# Altium PCB X98_CARRIER_V1R2_12082022.PcbDoc (part 1 of 10) (continued)
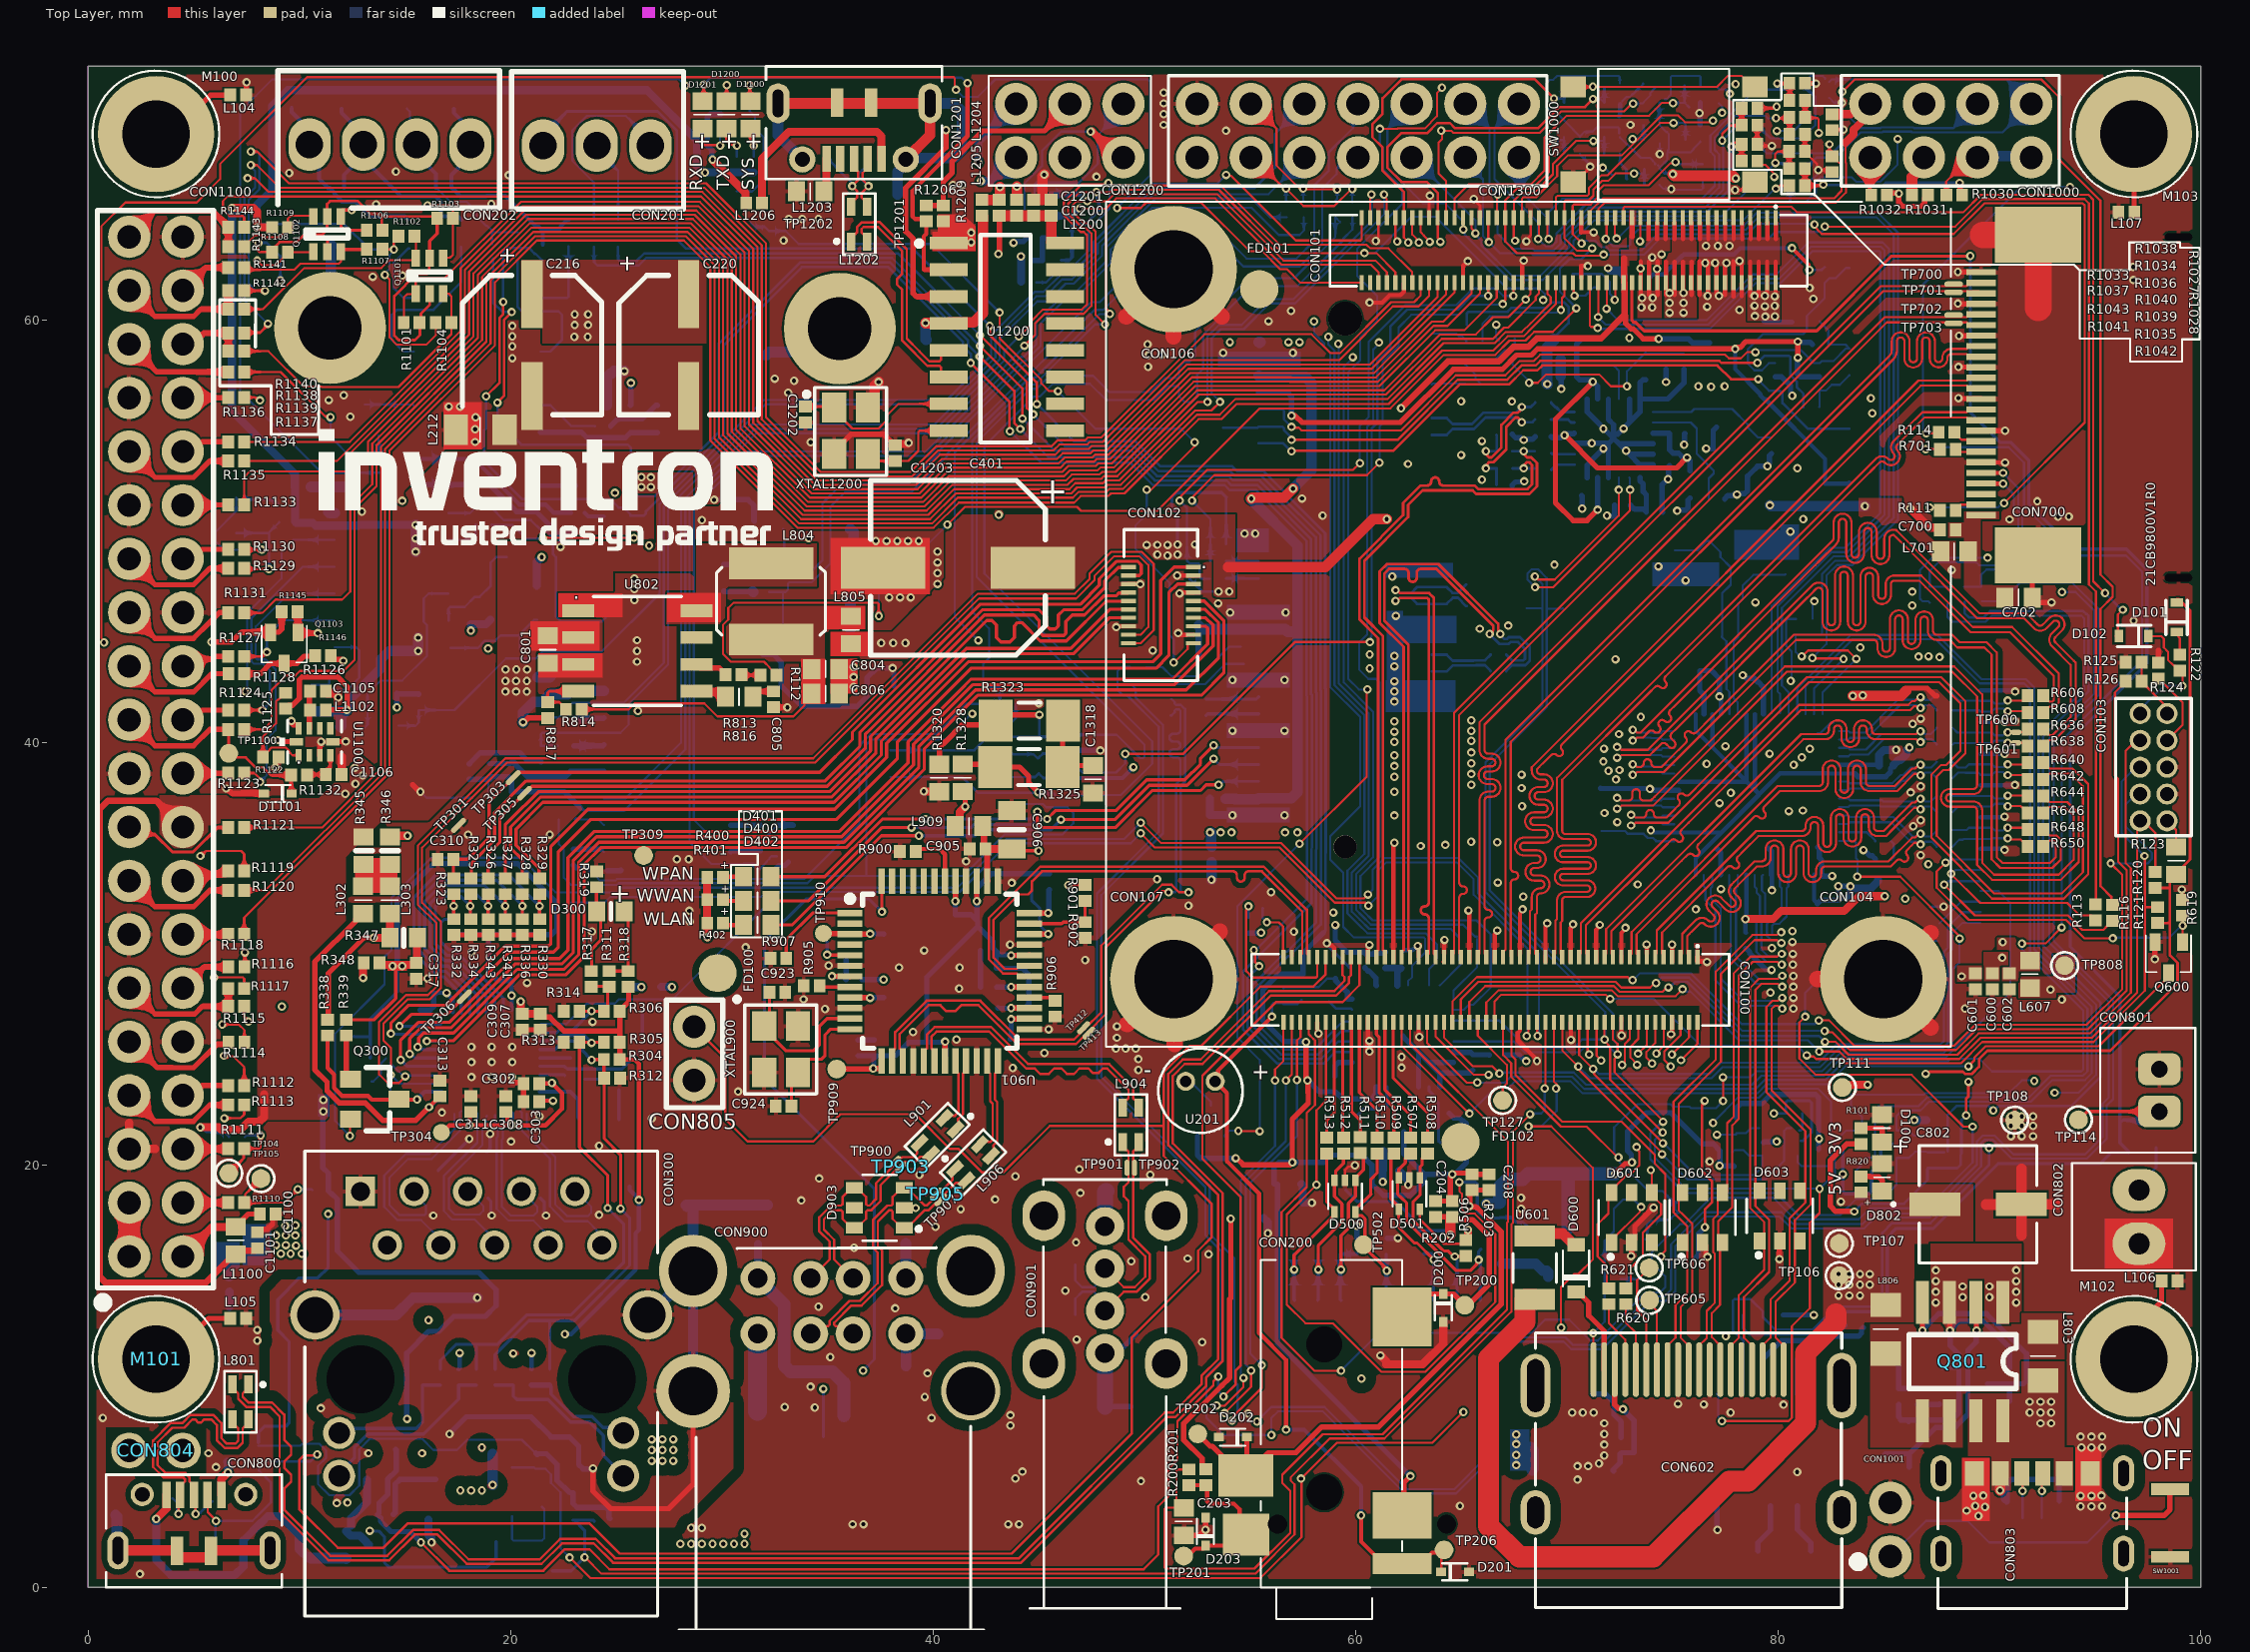
[diagram p0: Top Layer view]
## Classes and differential pairs (continued)
net class USB: PCIe_USB_MODEM_N PCIe_USB_MODEM_P USB1_OTG'_N USB1_OTG'_P USB1_OTG_N USB1_OTG_P USB1D'_N USB1D'_P USB1DP_N USB1DP_P USB2_UP_N USB2_UP_P USB2D'_N USB2D'_P USB2DP_N USB2DP_P USB3DP'_N USB3DP'_P USB3DP_N USB3DP_P
net class "SD CARD": SD2_CD_B SD2_CLK SD2_CMD SD2_DATA0 SD2_DATA1 SD2_DATA2 SD2_DATA3 SD2_nRST
differential pair class "120 OHM": CAN_H RS485/422
differential pair class "DIFF HDMI 100 OHM": HDMICK HDMITX0 HDMITX1 HDMITX2
differential pair class "DIFF LVDS 100 OHM": LVDSCK LVDSTX0 LVDSTX1 LVDSTX2 LVDSTX3
differential pair class "USB 90 OHM DIFF": PCIe_USB_MODEM USB1_OTG USB1_OTG' USB1D' USB1DP USB2_UP USB2D' USB2DP USB3DP USB3DP' USB_DEBUG USB_DEBUG'
net class "ENET DATA": ENET_RD0 ENET_RD1 ENET_RD2 ENET_RD3 ENET_RX_CTL ENET_RXC ENET_TD0 ENET_TD1 ENET_TD2 ENET_TD3 ENET_TX_CTL ENET_TXC
differential pair class "DIFF DSI 100 OHM": MIPI_DSI_CK MIPI_DSI_D0 MIPI_DSI_D1 MIPI_DSI_D2 MIPI_DSI_D3
differential pair class "DIFF CSI 100 OHM": MIPI_CSI_CLK MIPI_CSI_D0 MIPI_CSI_D1 MIPI_CSI_D2 MIPI_CSI_D3
differential pair class "DIFF PCIe 85 OHM": DIFF0 DIFF1 PCIe_CPU_CLK PCIe_REF_CLK PCIe_RX PCIe_TX PCIe_TX'
net class "USB OTG CONFIG": +3.3V_EXT_ENABLE USB1_OTG_VBUS_DETECT USB_OTG_OC USB_OTG_POWER
net class SAI3: SAI3_RXD SAI3_TXC SAI3_TXD SAI3_TXFS
net class SAI1: SAI1_RXD0 SAI1_RXD1 SAI1_RXD2 SAI1_RXD3 SAI1_RXD4 SAI1_RXD5 SAI1_RXD6 SAI1_RXD7 SAI1_TXD0 SAI1_TXD1 SAI1_TXD2 SAI1_TXD3 SAI1_TXD4 SAI1_TXD5 SAI1_TXD6 SAI1_TXD7
net class PWR: +1.8V_VDD +3.3V_VDD +5V GND
net class PWM: PWM1_E PWM2_E PWM3_E PWM4_E
net class "PCIe CONFIG": PCIe_HOST_WAKE PCIe_PERST#_3V3 PCIe_W_DISABLE#_3V3
net class I2C4: I2C4_SCL_3V3 I2C4_SDA_3V3
net class I2C3: I2C3_SCL_3V3 I2C3_SDA_3V3
net class I2C2: I2C2_SCL_3V3 I2C2_SDA_3V3
net class "HDMI CONFIG": DISP_CON_O1 DISP_CON_O2 DSI/LVDS_CON_INT HDMI_HPD IRQ_HDMI nRESET_HDMI
net class GPIO_EXP: GPIO_EXP_1 GPIO_EXP_2 GPIO_EXP_3 GPIO_EXP_4 GPIO_EXP_5 GPIO_EXP_6 GPIO_EXP_7 GPIO_EXP_8 GPIO_EXP_9_1V8 GPIO_EXP_10_1V8 GPIO_EXP_11_1V8 GPIO_EXP_12_1V8
net class "ENET CONFIG": ENET_INT_IN ENET_nRST
net class "CAM CONFIG": PWDN_CAM_C RST_CAM_C
net class BUTTON: ONOFF SYS_nRST
net class "AUDIO SAI": SAI1_MCLK SAI1_RXD0 SAI1_TXC SAI1_TXD0 SAI1_TXFS
net class "AUDIO CONFIG": AMP_EN HP_DETECT MIC_EN
net class USB_OTG_POWER_SYSTEM[0..3]: USB_OTG_POWER_SYSTEM0 USB_OTG_POWER_SYSTEM1 USB_OTG_POWER_SYSTEM2 USB_OTG_POWER_SYSTEM3
net class USB2[0..1]: USB20 USB21
net class USB1[0..3]: USB10 USB11 USB12 USB13
net class UART3[0..3]: UART30 UART31 UART32 UART33
net class UART2,4[0..3]: UART2,40 UART2,41 UART2,42 UART2,43
net class SYS_STATUS[0..0]: SYS_STATUS0
net class SD2[0..8]: SD20 SD21 SD22 SD23 SD24 SD25 SD26 SD27 SD28
net class SAI3_AUDIO[0..3]: SAI3_AUDIO0 SAI3_AUDIO1 SAI3_AUDIO2 SAI3_AUDIO3
net class SAI2_TX[0..2]: SAI2_TX0 SAI2_TX1 SAI2_TX2
net class SAI1_CONFIG[0..15]: SAI1_CONFIG0 SAI1_CONFIG1 SAI1_CONFIG2 SAI1_CONFIG3 SAI1_CONFIG4 SAI1_CONFIG5 SAI1_CONFIG6 SAI1_CONFIG7 SAI1_CONFIG8 SAI1_CONFIG9 SAI1_CONFIG10 SAI1_CONFIG11 SAI1_CONFIG12 SAI1_CONFIG13 SAI1_CONFIG14 SAI1_CONFIG15
net class SAI1_AUDIO[0..4]: SAI1_AUDIO0 SAI1_AUDIO1 SAI1_AUDIO2 SAI1_AUDIO3 SAI1_AUDIO4
net class PWM[0..3]: PWM0 PWM1 PWM2 PWM3
net class PCIe_USB_MODEM[0..1]: PCIe_USB_MODEM0 PCIe_USB_MODEM1
net class PCIe_SYSTEM[0..3]: PCIe_SYSTEM0 PCIe_SYSTEM1 PCIe_SYSTEM2 PCIe_SYSTEM3
net class PCIe[0..5]: PCIe0 PCIe1 PCIe2 PCIe3 PCIe4 PCIe5
net class "MIPI DSI[0..9]": "MIPI DSI0" "MIPI DSI1" "MIPI DSI2" "MIPI DSI3" "MIPI DSI4" "MIPI DSI5" "MIPI DSI6" "MIPI DSI7" "MIPI DSI8" "MIPI DSI9"
net class "MIPI CSI[0..9]": "MIPI CSI0" "MIPI CSI1" "MIPI CSI2" "MIPI CSI3" "MIPI CSI4" "MIPI CSI5" "MIPI CSI6" "MIPI CSI7" "MIPI CSI8" "MIPI CSI9"
net class I2C4[0..1]: I2C40 I2C41
net class I2C3[0..1]: I2C30 I2C31
net class I2C2[0..1]: I2C20 I2C21
net class HDMI_SYSTEM[0..5]: HDMI_SYSTEM0 HDMI_SYSTEM1 HDMI_SYSTEM2 HDMI_SYSTEM3 HDMI_SYSTEM4 HDMI_SYSTEM5
net class GPIO_EXT[0..11]: GPIO_EXT0 GPIO_EXT1 GPIO_EXT2 GPIO_EXT3 GPIO_EXT4 GPIO_EXT5 GPIO_EXT6 GPIO_EXT7 GPIO_EXT8 GPIO_EXT9 GPIO_EXT10 GPIO_EXT11
net class ETHERNET[0..14]: ETHERNET0 ETHERNET1 ETHERNET2 ETHERNET3 ETHERNET4 ETHERNET5 ETHERNET6 ETHERNET7 ETHERNET8 ETHERNET9 ETHERNET10 ETHERNET11 ETHERNET12 ETHERNET13 ETHERNET14
net class ENET_SYSTEM[0..2]: ENET_SYSTEM0 ENET_SYSTEM1 ENET_SYSTEM2
net class ECSPI2[0..3]: ECSPI20 ECSPI21 ECSPI22 ECSPI23
net class "CS CAM SYSTEM[0..2]": "CS CAM SYSTEM0" "CS CAM SYSTEM1" "CS CAM SYSTEM2"
net class BUTTONS[0..1]: BUTTONS0 BUTTONS1
net class BOOT_MODE[0..1]: BOOT_MODE0 BOOT_MODE1
net class AUDIO_SYTEM[0..2]: AUDIO_SYTEM0 AUDIO_SYTEM1 AUDIO_SYTEM2
component class "06 MIPI-DSI to HDMI": C600 C601 C602 C603 C604 C612 C613 C620 C621 C622 C623 C624 C625 C626 C627 C628 C629 C631 C633 C636 C637 C640 CON600 CON602 D600 D601 D602 D603 D604 L600 L601 L606 L607 Q600 Q601 Q602 Q603 R600 R604 R605 R606 R607 R608 R609 R610 R611 R612 R619 R620 R621 R623 R624 R625 R626 R627 R628 R629 R630 R631 R632 R633 R634 R635 R636 R637 R638 R639 R640 R641 R642 R643 R644 R645 R646 R647 R648 R649 R650 ss TP600 TP601 TP602 TP603 TP605 TP606 U600 U601 XTAL600
differential pair MDI3: +MDI3_P -MDI3_N
differential pair MDI2: +MDI2_P -MDI2_N
differential pair MDI1: +MDI1_P -MDI1_N
differential pair MDI0: +MDI0_P -MDI0_N
differential pair RS485/422: +RS485/422_P -RS485/422_N
differential pair CAN_H: +CAN_H_P -CAN_H_N
differential pair PCIe_TX': +PCIe_TX'_P -PCIe_TX'_N
differential pair HDMITX2: +HDMITX2_P -HDMITX2_N
differential pair HDMITX1: +HDMITX1_P -HDMITX1_N
differential pair HDMITX0: +HDMITX0_P -HDMITX0_N
differential pair HDMICK: +HDMICK_P -HDMICK_N
differential pair DIFF1: +DIFF1_P -DIFF1_N
differential pair DIFF0: +DIFF0_P -DIFF0_N
differential pair PCIe_REF_CLK: +PCIe_REF_CLK_P -PCIe_REF_CLK_N
differential pair D5: +D5_P -D5_N
differential pair D4: +D4_P -D4_N
differential pair D3: +D3_P -D3_N
differential pair D2: +D2_P -D2_N
differential pair D1: +D1_P -D1_N
differential pair LVDSTX3: +LVDSTX3_P -LVDSTX3_N
differential pair LVDSTX2: +LVDSTX2_P -LVDSTX2_N
differential pair LVDSTX1: +LVDSTX1_P -LVDSTX1_N
differential pair LVDSTX0: +LVDSTX0_P -LVDSTX0_N
differential pair LVDSCK: +LVDSCK_P -LVDSCK_N
differential pair USB1_OTG: +USB1_OTG_P -USB1_OTG_N
differential pair USB1_OTG': +USB1_OTG'_P -USB1_OTG'_N
differential pair USB_DEBUG: +USB_DEBUG_P -USB_DEBUG_N
differential pair USB_DEBUG': +USB_DEBUG'_P -USB_DEBUG'_N
differential pair USB3DP: +USB3DP_P -USB3DP_N
differential pair USB3DP': +USB3DP'_P -USB3DP'_N
differential pair USB2DP: +USB2DP_P -USB2DP_N
differential pair USB2D': +USB2D'_P -USB2D'_N
differential pair USB2_UP: +USB2_UP_P -USB2_UP_N
differential pair USB1DP: +USB1DP_P -USB1DP_N
differential pair USB1D': +USB1D'_P -USB1D'_N
differential pair PCIe_USB_MODEM: +PCIe_USB_MODEM_P -PCIe_USB_MODEM_N
differential pair PCIe_TX: +PCIe_TX_P -PCIe_TX_N
differential pair PCIe_RX: +PCIe_RX_P -PCIe_RX_N
differential pair PCIe_CPU_CLK: +PCIe_CPU_CLK_P -PCIe_CPU_CLK_N
differential pair MIPI_CSI_D3: +MIPI_CSI_D3_P -MIPI_CSI_D3_N
differential pair MIPI_CSI_D2: +MIPI_CSI_D2_P -MIPI_CSI_D2_N
differential pair MIPI_CSI_D1: +MIPI_CSI_D1_P -MIPI_CSI_D1_N
differential pair MIPI_CSI_D0: +MIPI_CSI_D0_P -MIPI_CSI_D0_N
differential pair MIPI_CSI_CLK: +MIPI_CSI_CLK_P -MIPI_CSI_CLK_N
differential pair MIPI_DSI_D3: +MIPI_DSI_D3_P -MIPI_DSI_D3_N
differential pair MIPI_DSI_D2: +MIPI_DSI_D2_P -MIPI_DSI_D2_N
differential pair MIPI_DSI_D1: +MIPI_DSI_D1_P -MIPI_DSI_D1_N
differential pair MIPI_DSI_D0: +MIPI_DSI_D0_P -MIPI_DSI_D0_N
differential pair MIPI_DSI_CK: +MIPI_DSI_CK_P -MIPI_DSI_CK_N

## Components (designator, comment, footprint, x,y, rotation, side; value= is the part's Value field where it differs from the comment)
C100 "1uF" 0603_CC 76.745,58.278 r90 bottom
C102 "22UF 10V 0603" 0603_CC 80.658,60.551 r90 bottom
C104 "22UF 10V 0603" 0603_CC 73.336,62.062 r180 bottom
C105 "22UF 10V 0603" 0603_CC 76.257,62.011 r0 bottom
C200 "4.7UF 10V" 0402_CC#1 61.673,19.713 r0 bottom
C201 "0.1uF" 0402_CC#1 62.263,21.937 r270 bottom
C202 "1uF" 0603_CC 63.828,22.555 r180 bottom
C203 "1uF" 0603_CC 51.872,3.124 r90 top locked
C204 "0.082UF 16V 0402" 0402_CC#1 64.592,17.918 r270 top
C205 "100uF 1206" 1206 59.538,20.473 r270 bottom
C206 "0.1uF" 0402_CC#1 62.217,29.686 r90 bottom
C207 "100uF 1206" 1206 64.011,19.455 r270 bottom
C208 "0.082UF 16V 0402" 0402_CC#1 66.294,19.177 r90 top
C209 "0.1uF" 0402_CC#1 65.521,24.861 r270 bottom
C210 "1uF" 0603_CC 58.162,29.042 r0 bottom
C211 "1uF" 0603_CC 58.147,27.495 r180 bottom
C212 "1uF" 0603_CC 23.941,64.088 r270 bottom
C213 "1uF" 0603_CC 25.082,64.088 r270 bottom
C214 "0.1uF" 0402_CC#1 58.977,23.847 r270 bottom
C215 "0.1uF" 0402_CC#1 60.061,29.374 r180 bottom
C216 "220 uF 6.3V" "CAP ALUM 6.6X6.6X5.4" 21.005,58.805 r90 top locked
C217 "1uF" 0603_CC 25.663,55.323 r90 bottom
C218 "1uF" 0603_CC 23.899,57.23 r0 bottom
C219 "1uF" 0603_CC 23.899,55.96 r0 bottom
C220 "220 uF 6.3V" "CAP ALUM 6.6X6.6X5.4" 28.422,58.805 r90 top locked
C221 "1uF" 0603_CC 25.018,53.36 r180 bottom
C222 "1uF" 0603_CC 25.018,50.708 r180 bottom
C223 "1uF" 0603_CC 23.759,52.15 r0 bottom
C224 "220pF" 0402_CC#1 14.125,64.536 r270 bottom
C225 "220pF" 0402_CC#1 16.665,64.536 r270 bottom
C226 "220pF" 0402_CC#1 19.133,64.596 r90 bottom
C227 "220pF" 0402_CC#1 21.526,64.596 r90 bottom
C300 "30PF" 0402_CC#1 25.857,27.407 r180 bottom
C301 "30PF" 0402_CC#1 25.502,22.174 r180 bottom
C302 "0.1uF" 0402_CC#2 20.98,23.851 r0 top
C303 "0.1uF" 0402_CC#2 20.98,22.987 r0 top
C304 "0.1uF" 0402_CC#1 21.869,28.473 r90 bottom
C305 "0.1uF" 0402_CC#1 26.975,30.759 r90 bottom
C306 "10UF" 0805#1 25.73,31.115 r90 bottom
C307 "0.1uF" 0402_CC#1 21.412,26.777 r270 top
C308 "0.1uF" 0402_CC#2 19.761,22.879 r270 top
C309 "4.7UF 10V" 0402_CC#2 20.549,26.772 r270 top
C310 "22pF" 0402_CC#1 16.916,34.442 r180 top
C311 "0.1uF" 0402_CC#1 18.136,22.885 r270 top
C312 "0.1uF" 0402_CC#1 16.002,28.194 r180 bottom
C313 "0.1uF" 0402_CC#1 16.662,23.622 r270 top
C314 "1UF-NF" 0805#1 30.505,18.999 r90 bottom
C315 "1NF/2KV-NF" 1206 28.55,19.634 r90 bottom
C316 "0.1uF" 0402_CC#1 20.091,29.032 r90 bottom
C317 "4.7UF 10V" 0402_CC#2 15.519,29.185 r270 top
C400 "0.1uF" 0402_CC#1 81.852,52.27 r180 bottom
C401 "470uF" "CAP-8.3mm x 8.3mm" 41.169,48.265 r0 top
C404 "1uF" 0402_CC#1 74.129,50.886 r0 bottom
C405 "0.01uF 16V 0402" 0402_CC#1 74.129,51.724 r0 bottom
C406 "1uF" 0402_CC#1 74.846,53.477 r270 bottom
C407 "0.01uF 16V 0402" 0402_CC#1 68.881,54.499 r180 bottom
C408 "0.01uF 16V 0402" 0402_CC#1 75.204,54.602 r0 bottom
C409 "1uF" 0402_CC#1 70.085,58.15 r180 bottom
C410 "0.01uF 16V 0402" 0402_CC#1 70.085,57.356 r180 bottom
C411 "0.01uF 16V 0402" 0402_CC#1 71.081,51.699 r180 bottom
C412 "18pF" 0402_CC#1 79.786,54.046 r90 bottom
C413 "10uF" 0805#2 51.365,45.577 r180 bottom
C414 "0.1uF" 0402_CC#1 53.468,37.314 r0 bottom
C415 "0.1uF" 0402_CC#1 66.761,44.186 r180 bottom
C416 "0.1uF" 0402_CC#1 66.761,43.386 r180 bottom
C417 "18pF" 0402_CC#1 77.174,51.526 r180 bottom
C419 "0.1uF" 0402_CC#1 53.153,34.692 r270 bottom
C500 "1uF" 0603_CC 69.293,18.246 r180 bottom
C501 "10uF" 0603_CC 56.3,17.473 r180 bottom
C502 "1uF" 0603_CC 70.328,14.035 r270 bottom
C506 "22pF" 0402_CC#1 61.467,16.154 r90 bottom
C600 "0.1uF" 0402_CC#1 90.162,28.698 r270 top locked
C601 "0.1uF" 0402_CC#1 89.359,28.698 r270 top locked
C602 "0.1uF" 0402_CC#1 90.966,28.698 r270 top locked
C603 "0.1uF" 0402_CC#1 78.456,30.612 r270 bottom
C604 "0.1uF" 0402_CC#1 71.217,37.851 r180 bottom
C612 "18pF" 0402_CC#1 80.313,48.315 r90 bottom
C613 "18pF" 0402_CC#1 75.082,48.727 r270 bottom
C620 "22nF %5" 0603_CC 71.54,35.206 r270 bottom
C621 "10uF" 0603_CC 87.09,32.886 r270 bottom
C622 "10uF" 0603_CC 68.595,33.487 r0 bottom
C623 "0.1uF" 0402_CC#1 69.653,39.109 r0 bottom
C624 "10uF" 0603_CC 81.859,31.713 r270 bottom
C625 "0.1uF" 0402_CC#1 79.044,43.24 r90 bottom
C626 "0.1uF" 0402_CC#1 73.513,33.969 r180 bottom
C627 "0.1uF" 0402_CC#1 82.855,32.157 r270 bottom
C628 "10uF" 0603_CC 84.664,43.3 r90 bottom
C629 "0.1uF" 0402_CC#1 85.09,38.892 r0 bottom
C631 "0.1uF" 0402_CC#1 75.879,43.502 r180 bottom
C633 "0.1uF" 0402_CC#1 75.89,42.686 r180 bottom
C636 "10uF" 0603_CC 68.579,35.92 r180 bottom
C637 "0.1uF" 0402_CC#1 73.513,34.764 r180 bottom
C640 "0.1uF" 0402_CC#1 81.648,45.47 r90 bottom
C700 "0.1uF" 0402_CC#1 88.036,50.042 r180 top locked
C702 "10uF" 0603_CC 91.389,46.842 r0 top locked
C800 "4.7UF 10V" 0402_CC#1 16.104,3.48 r270 bottom
C801 "22UF 10V 0603" 0603_CC 21.742,44.389 r270 top
C802 "100UF" UWR1A101MCL1GB 89.591,18.135 r0 top locked
C803 "10UF" 0805#2 10.49,2.565 r90 bottom
C804 "22UF 10V 0603" 0603_CC 34.899,43.464 r0 top
C805 "6800PF 50V 0402" 0402_CC#1 32.457,42.042 r270 top
C806 "22UF 10V 0603" 0603_CC 34.899,42.296 r0 top
C900 "10UF" 0805#2 37.338,5.69 r270 bottom
C901 "10UF" 0805#2 44.856,5.436 r270 bottom
C902 "10UF" 0805#2 33.223,5.69 r270 bottom
C903 "0.1uF" 0402_CC#2 40.665,31.852 r180 bottom
C904 "10UF" 0805#1 43.002,31.496 r0 bottom
C905 "0.1uF" 0402_CC#1 42.088,34.976 r0 top
C906 "10UF" 0805#1 43.713,35.865 r270 top
C907 "0.1uF" 0402_CC#1 38.024,30.912 r0 bottom
C908 "0.1uF" 0402_CC#1 42.596,29.286 r0 bottom
C909 "100PF" 0402_CC#1 42.596,30.124 r0 bottom
C910 "0.1uF" 0402_CC#1 38.024,27.915 r0 bottom
C911 "0.1uF" 0402_CC#1 42.621,28.397 r0 bottom
C912 "0.1uF" 0402_CC#1 42.621,27.381 r0 bottom
C913 "10UF" 0805#1 42.748,25.959 r180 bottom
C914 "0.1uF" 0402_CC#1 36.424,25.548 r270 bottom
C915 "100PF" 0402_CC#1 37.313,25.548 r270 bottom
C916 "0.1uF" 0402_CC#2 40.208,25.171 r0 bottom
C923 "18PF-NF" 0402_CC#1 32.614,28.194 r0 top
C924 "18PF-NF" 0402_CC#1 32.918,22.758 r180 top
C925 "1uF" 0603_CC 69.012,5.563 r0 bottom
C1100 "0.1uF" 0402_CC#1 8.49,17.697 r0 top locked
C1101 "4.7UF 10V" 0402_CC#1 7.982,16.427 r90 top locked
C1102 "4.7UF 10V" 0402_CC#3 6.831,16.765 r180 bottom
C1103 "0.1uF" 0402_CC#3 6.692,14.373 r270 bottom
C1105 "0.1uF" 0402_CC#1 10.862,42.439 r0 top locked
C1106 "0.1uF" 0402_CC#1 11.624,38.461 r180 top locked
C1200 "0.1uF" 0402_CC#1 44.737,65.3 r90 top
C1201 "0.1uF" 0402_CC#1 45.554,65.3 r90 top
C1202 "18PF" 0402_CC#1 33.968,55.528 r270 top locked
C1203 "18PF" 0402_CC#1 38.187,53.689 r90 top locked
C1204 "1uF" 0603_CC 38.973,65.937 r0 bottom
C1205 "0.1uF" 0402_CC#1 39.65,58.686 r270 bottom
C1300 "10PF" 0402_CC#1 20.308,48.748 r0 bottom
C1301 "10PF" 0402_CC#1 20.066,44.45 r180 bottom
C1302 "0.1uF" 0402_CC#1 23.082,48.094 r90 bottom
C1303 "22pF" 0402_CC#1 33.37,47.094 r0 bottom
C1304 "1nF" 0603_CC 36.248,47.763 r180 bottom
C1305 "0.1uF" 0402_CC#1 12.574,52.07 r0 bottom
C1306 "22pF" 0402_CC#1 33.382,48.435 r180 bottom
C1307 "0.1uF" 0402_CC#1 29.882,50.499 r0 bottom
C1308 "1uF" 0603_CC 32.064,41.475 r90 bottom
C1309 "1uF" 0603_CC 22.854,43.073 r270 bottom
C1310 "1uF" 0603_CC 32.788,43.26 r0 bottom
C1311 "1uF" 0603_CC 32.064,39.171 r90 bottom
C1312 "1uF" 0603_CC 32.642,37.358 r0 bottom
C1313 "22pF" 0402_CC#1 32.169,33.975 r0 bottom
C1314 "22pF" 0402_CC#1 21.412,39.458 r270 bottom
C1315 "22pF" 0402_CC#1 33.362,35.717 r270 bottom
C1316 "22pF" 0402_CC#1 21.461,41.558 r90 bottom
C1317 "0.1uF" 0402_CC#1 37.755,41.853 r0 bottom
C1318 "1nF" 0603_CC 47.554,38.245 r270 top locked
CON100 "100POS" "DF40C-100DS- FEMALE" 66.379,28.297 r180 top locked
CON101 "100POS" "DF40C-100DS- FEMALE" 70.079,63.297 r180 top locked
CON102 "2X10 POS" DF40C-20DS-0.4V(51) 50.779,46.496 r180 top
CON103 "2x5 SMD" "HEADER 2X5 1.27MM THD" 97.14,36.285 r90 top locked
CON104 "2.5MM" 9774030151R#1 84.979,28.797 r90 top locked
CON106 "2.5MM" 9774030151R#2 51.379,62.396 r90 top locked
CON107 "2.5MM" 9774030151R#3 51.379,28.797 r90 top locked
CON200 "43515RS" SJ-43515RS-SMT 58.5,4.5 r90 top locked
CON201 "TERM BLK 3P SIDE ENT 2.54MM PCB" OSTVN03A150 21.53,68.25 r0 top locked
CON202 "TERM BLK 4P SIDE ENT 2.54MM PCB" OSTVN04A150 10.47,68.3 r0 top locked
CON300 "HR851178C" HR851178C 11.875,5.28 r0 top locked
CON400 "MICRO SIM CARD" 115Q-BCA0 98.95,63.925 r270 bottom locked
CON401 "PCIe Conn" "PCIE MINI 52POS (2SCREW)" 63.599,59.353 r270 bottom locked
CON402 "2 MM" 9774045243R 35.572,59.588 r90 bottom
CON403 "2 MM" 9774045243R 11.442,59.621 r90 bottom locked
CON600 "CONN FFC TOP 30POS 0.50MM R/A" CON-SFV30R-2STBE1HLF 89.581,42.463 r270 bottom locked
CON602 "HDMI TYPE A" CON-L-KLS1-285-1-N-1 68.512,9.55 r0 top locked
CON700 "24PIN" "24-PIN FPC" 90.233,56.507 r270 top locked
CON800 "CON-KLS1-238-0-0-0-R" KLS1-238-0-0-0-R#1 2.55,4.4 r180 top locked
CON801 "CON-B2B-PH-K-S(LF)(SN)" B2B-PH-K-S 98.05,22.53 r90 top locked
CON802 "2 PIN" 640456-2 97.083,16.27 r90 top locked
CON803 "C TYPE, POWER" CUI_UJC-HP-3-SMT-TR 92.03,3.497 r0 top locked
CON804 "1X2" "HEADER 2 PIN 2.54"#1 3.175,6.477 r0 top locked
CON805 "1X2" "HEADER 2 PIN 2.54"#2 28.677,25.298 r270 top
CON900 "USB TYPE A DUAL" "USB TYPE A DUAL" 31.7,14.63 r0 top locked
CON901 "CON-DS1095-01" CON-DS1095-01 48.13,11.1 r90 top locked
CON1000 "2x4" "HEADER 2.54 X 4X2" 91.98,70.23 r180 top locked
CON1001 "2x1" "HEADER 1X2 2.54mm" 85.31,4.007 r90 top
CON1100 "2X20 2.54" "HEADER 2.54MM X 2X20" 1.93,15.67 r90 top locked
CON1200 "2x3" "HEADER 2.54 X 3X2" 49.001,67.69 r180 top locked
CON1201 "CON-KLS1-238-0-0-0-R" KLS1-238-0-0-0-R#2 38.7,67.6 r0 top locked
CON1300 "2x7" "HEADER 2.54 2X7" 67.73,67.69 r180 top locked
D100 "GREEN" 0603_LED#1 84.924,21.739 r90 top
D101 "DIODE-RB520S30T1G" SOD523 98.869,45.927 r90 top locked
D102 "DIODE-RB520S30T1G" SOD523 96.837,45.038 r180 top locked
D200 "ESD5B5.0ST1G" "SOD523 - SZESD" 64.148,13.23 r270 top locked
D201 "ESD5B5.0ST1G" "SOD523 - SZESD" 64.699,0.736 r0 top locked
D202 "ESD5B5.0ST1G" "SOD523 - SZESD" 54.183,7.111 r180 top locked
D203 "ESD5B5.0ST1G" "SOD523 - SZESD" 52.888,2.641 r90 top locked
D204 "ESD5B5.0ST1G" "SOD523 - SZESD" 15.786,66.247 r0 bottom
D205 "ESD5B5.0ST1G" "SOD523 - SZESD" 17.843,66.247 r180 bottom
D206 "ESD5B5.0ST1G" "SOD523 - SZESD" 10.731,66.247 r180 bottom
D207 "ESD5B5.0ST1G" "SOD523 - SZESD" 12.763,66.247 r0 bottom
D300 "GREEN" 0603_LED#2 24.714,32.004 r180 top
D400 "GREEN" 0603_LED#1 31.68,32.496 r0 top locked
D401 "GREEN" 0603_LED#1 31.68,33.639 r0 top locked
D402 "GREEN" 0603_LED#1 31.68,31.353 r0 top locked
D403 "TVS 5V" SC-70 80.912,57.299 r0 bottom
D404 "DIODE" SOD-323 66.3,57.998 r0 bottom
D500 "DIODE-DF5A6.2LJE,LM" DF5A6.2LJE,LM 59.492,18.516 r270 top locked
D501 "DIODE-DF5A6.2LJE,LM" DF5A6.2LJE,LM 62.54,18.643 r270 top locked
D600 "DIODE" SOD-323 70.429,15.101 r90 top
D601 "DT1042-04SOQ-7" DIODE-DT1042-04SOQ-7 73.261,17.466 r0 top locked
D602 "DT1042-04SOQ-7" DIODE-DT1042-04SOQ-7 76.614,17.466 r0 top locked
D603 "DT1042-04SOQ-7" DIODE-DT1042-04SOQ-7 80.27,17.545 r0 top locked
D604 "DIODE" SOD-323 72.478,9.293 r180 bottom
D800 "5.2V ZENER" SOD-323 85.725,11.709 r90 bottom
D801 "15V" SOD-323 86.182,6.731 r270 bottom
D802 "GREEN" 0603_LED#1 84.924,19.42 r90 top
D803 "DT1042-04SOQ-7" DIODE-DT1042-04SOQ-7 4.724,2.997 r180 bottom
D804 "MMSZ5231BT1G" SOD-123 94.556,21.978 r180 bottom
D805 "SCHOTTKY" SOD-123 15.087,5.131 r0 bottom
D900 "ESD5B5.0ST1G" "SOD523 - SZESD" 32.36,16.256 r0 bottom
D901 "ESD5B5.0ST1G" "SOD523 - SZESD" 49.586,12.674 r90 bottom
D902 "ESD5B5.0ST1G" "SOD523 - SZESD" 32.34,9.569 r0 bottom
D903 "DT1042-04SOQ-7" DIODE-DT1042-04SOQ-7 37.49,18.161 r90 top
D904 "DT1042-04SOQ-7" DIODE-DT1042-04SOQ-7 45.58,14.05 r180 bottom
D1100 "GREEN" 0603_LED#1 31.343,69.713 r90 top locked
D1101 "ESD5B5.0ST1G" "SOD523 - SZESD" 8.968,37.579 r180 top locked
D1102 "BAT54C" SOT23#1 79.289,11.774 r90 bottom
D1200 "GREEN" 0603_LED#1 30.21,69.713 r90 top locked
D1201 "GREEN" 0603_LED#1 29.077,69.713 r90 top locked
D1202 "DT1042-04SOQ-7" DIODE-DT1042-04SOQ-7 36.292,68.827 r0 bottom
D1203 "DIODE-RB520S30T1G" SOD523 45.36,62.826 r0 bottom
D1300 "DIODE-SM712-02HTG" SOT23#1 50.871,57.062 r0 bottom
D1301 "DIODE-RB520S30T1G" SOD523 20.036,38.366 r270 bottom
F901 "PTC" 1812 40.767,4.013 r90 bottom
FD100 "FD" FD 29.794,29.083 r90 top
FD101 "FD" FD 55.439,61.461 r90 top
FD102 "FD" FD 64.959,21.079 r90 top
FD103 "FD" FD 40.021,43.554 r90 bottom
FD104 "FD" FD 72.618,46.31 r90 bottom
FD105 "FD" FD 67.351,20.643 r90 bottom
L104 "0402" 0402_RES#1 7.085,70.664 r0 top locked
L105 "0402" 0402_RES#1 7.085,12.752 r0 top locked
L106 "0402" 0402_RES#1 98.525,14.53 r0 top locked
L107 "0402" 0402_RES#1 96.493,65.076 r180 top locked
L200 "0603" 0603_RES#1 61.312,21.309 r90 bottom
L201 "0402" 0402_RES#1 61.381,29.697 r270 bottom
L202 "0805" 0805#2 25.846,59.773 r0 bottom
L204 "0402" 0402_RES#1 66.697,25.225 r180 bottom
L206 "470 OHM 0603" 0603_RES#1 26.948,55.308 r270 bottom
L207 "120 OHM Ferrite Beads" 0603_RES#1 22.736,64.104 r90 bottom
L208 "120 OHM Ferrite Beads" 0603_RES#1 20.323,63.501 r90 bottom
L209 "120 OHM Ferrite Beads" 0603_RES#1 17.656,64.104 r90 bottom
L210 "120 OHM Ferrite Beads" 0603_RES#1 15.268,64.104 r90 bottom
L211 "0603" 0603_RES#1 56.776,19.087 r180 bottom
L212 "0805" 0805#2 18.549,54.804 r0 top
L300 "2.2UH 1.6A-NF" 2016 23.673,28.727 r0 bottom
L301 "IND-FERRITE 0805-NF" 0805#1 32.156,18.999 r90 bottom
L302 "FB 220 OHM" 0603_RES#1 13.005,32.537 r270 top
L303 "FB 220 OHM" 0603_RES#2 14.275,32.537 r270 top
L400 "FERRITE 0603" 0603_RES#1 32.079,58.983 r90 bottom
L401 "0402" 0402_RES#1 72.63,51.216 r0 bottom
L402 "120 OHM Ferrite Beads" 0603_RES#1 75.831,52.207 r270 bottom
L403 "120 OHM Ferrite Beads" 0603_RES#1 70.047,59.093 r0 bottom
L404 "DUAL 90Ohm" DLW21H 52.086,41.666 r0 bottom
L405 "FERRITE 0603" 0603_RES#1 10.862,63.507 r180 bottom
L500 "0603" 0603_RES#1 66.934,15.976 r90 bottom
L600 "FB 220 OHM" 0603_RES#1 85.833,43.275 r270 bottom
L601 "FB 220 OHM" 0603_RES#1 68.595,34.706 r0 bottom
L606 "FB 220 OHM" 0603_RES#1 85.364,33.491 r180 bottom
L607 "0603" 0603_RES#1 91.929,29.025 r90 top locked
L701 "0603" 0603_RES#1 88.332,49.043 r180 top locked
L800 "120 OHM Ferrite Beads" 0603_RES#2 12.192,2.007 r270 bottom
L801 "DUAL 90Ohm" DLW21H 7.2,8.785 r270 top
L802 "120 OHM Ferrite Beads" 0603_RES#2 6.833,6.731 r270 bottom
L803 "0805" 0805#2 92.544,10.944 r90 top
L804 "2.2UH 3.5A" IND-NRS5030T2R2NMGJ 32.449,46.679 r270 top
L805 "0603" 0603_RES#1 36.089,45.319 r270 top
L806 "0805" 0805#2 85.09,12.217 r90 top
L807 "0603" 0603_RES#1 14.058,1.8 r180 bottom
L808 "120 OHM Ferrite Beads" 0603_RES#3 1.27,4.064 r270 bottom
L900 "120 OHM Ferrite Beads" 0603_RES#1 38.697,16.939 r90 bottom
L901 "DUAL 90Ohm" DLW21H 40.208,21.361 r225 top
L902 "0603" 0603_RES#1 48.133,19.41 r90 bottom
L903 "120 OHM Ferrite Beads" 0603_RES#1 35.763,7.468 r270 bottom
L904 "DUAL 90Ohm" DLW21H 49.352,21.895 r90 top
L905 "120 OHM Ferrite Beads" 0603_RES#1 38.715,9.829 r270 bottom
L906 "DUAL 90Ohm" DLW21H 41.885,20.117 r45 top
L907 "120 OHM Ferrite Beads" 0603_RES#1 47.473,8.534 r180 bottom
L908 "120 OHM Ferrite Beads" 0603_RES#1 31.674,7.468 r270 bottom
L909 "0603" 0603_RES#1 41.681,36.043 r180 top
L911 "0805" 0805#2 69.647,6.96 r180 bottom
L1100 "470 OHM 0603" 0603_RES#2 6.966,16.427 r90 top locked
L1101 "470 OHM 0603" 0603_RES#1 7.246,15.769 r180 bottom
L1102 "0402" 0402_RES#1 10.862,41.55 r0 top locked
L1104 "0402" 0402_RES#1 83.617,12.497 r180 bottom
L1200 "0402" 0402_RES#1 43.92,65.3 r90 top
L1201 "0805" 0805#2 40.922,66.572 r90 bottom
L1202 "DUAL 90Ohm" DLW21H 36.495,64.534 r90 top locked
L1203 "120 OHM Ferrite Beads" 0603_RES#1 34.169,66.085 r180 top locked
L1204 "0402" 0402_RES#1 43.104,65.3 r90 top
L1205 "0402" 0402_RES#1 42.328,65.311 r270 top
L1206 "0402" 0402_RES#2 31.521,65.532 r180 top
L1300 "0402" 0402_RES#1 23.082,49.594 r90 bottom
L1301 "0402" 0402_RES#1 31.85,47.094 r0 bottom
L1302 "0402" 0402_RES#1 10.16,52.07 r0 bottom
L1303 "0402" 0402_RES#1 31.526,50.068 r90 bottom
L1304 "0402" 0402_RES#1 31.85,48.394 r0 bottom
L1305 "0402" 0402_RES#1 21.85,43.489 r270 bottom
L1306 "0402" 0402_RES#1 22.612,41.158 r180 bottom
L1307 "0402" 0402_RES#1 32.212,36.058 r0 bottom
L1308 "0402" 0402_RES#1 22.612,39.858 r180 bottom
L1309 "0402" 0402_RES#1 32.182,34.845 r0 bottom
L1310 "0402" 0402_RES#1 37.755,42.653 r0 bottom
M100 "M3" M3 3.2,68.8 r0 top locked
M101 "M3" M3 3.2,10.8 r0 top locked
M102 "M3" M3 96.846,10.8 r0 top locked
M103 "M3" M3 96.846,68.8 r0 top locked
Q200 "MOS-RU1J002YNTCL" SC-85-3/SOT-323FL 53.143,22.057 r180 bottom
Q201 "MOS-RU1J002YNTCL" SC-85-3/SOT-323FL 13.084,55.231 r180 bottom
Q300 "NPN" SOT23#2 13.564,23.114 r180 top
Q400 "MOS-RU1J002YNTCL" SC-85-3/SOT-323FL 73.011,57.795 r270 bottom
Q500 "DMG2305UX-13" SOT23#1 69.119,15.874 r90 bottom
Q600 "MOS-RU1J002YNTCL" SC-85-3/SOT-323FL 98.482,29.838 r180 top locked
Q601 "NPN" SOT23#1 74.675,15.529 r180 bottom
Q602 "SSM6N37FU" SOT-363 84.76,20.98 r270 bottom
Q603 "SSM6N37FU" SOT-363 80.086,21.082 r90 bottom locked
Q800 "MOS-RU1J002YNTCL" SC-85-3/SOT-323FL 22.231,3.82 r270 bottom
Q801 "DUAL P-CH" "SO-8 - DUAL MOS - NAMED" 88.734,10.69 r270 top locked
Q802 "PNP" SOT23#1 88.766,9.633 r180 bottom
Q1100 "MOS-RU1J002YNTCL" SC-85-3/SOT-323FL 30.682,65.322 r180 bottom
Q1101 "SSM6N37FU" SOT-363 16.154,62.078 r0 top
Q1102 "SSM6N37FU" SOT-363 11.303,64.059 r0 top
Q1103 "MOS-RU1J002YNTCL" SC-85-3/SOT-323FL 9.271,44.501 r180 top
Q1300 "MOS-RU1J002YNTCL" SC-85-3/SOT-323FL 13.982,41.424 r270 bottom
R100 "4.7K" 0402_RES#1 88.29,20.523 r0 bottom
R101 "1K" 0402_RES#1 83.908,21.358 r90 top
R102 "4.7K" 0402_RES#1 83.479,23.69 r90 bottom
R103 "4.7K" 0402_RES#1 9.395,51.221 r0 bottom
R104 "4.7K" 0402_RES#1 9.395,50.409 r0 bottom
R105 "4.7K" 0402_RES#1 7.043,21.341 r180 bottom
R106 "4.7K" 0402_RES#1 10.98,18.78 r0 bottom
R111 "0402 330R 5%" 0402_RES#1 88.025,50.996 r0 top locked
R112 "0402 330R 5%" 0402_RES#1 32.202,43.164 r180 top
R113 "0402 330R 5%" 0402_RES#1 95.002,31.946 r90 top locked
R114 "0402 330R 5%" 0402_RES#1 87.966,54.705 r0 top locked
R115 "0R" 0402_RES#1 54.896,31.328 r90 bottom
R116 "0402 330R 5%" 0402_RES#1 95.815,31.921 r90 top locked
R117 "0402 2K2 1%" 0402_RES#1 56.013,32.115 r0 bottom
R119 "0402 330R 5%" 0402_RES#1 77.075,70.668 r270 bottom
R120 "10K" 0402_RES#1 97.873,33.493 r270 top locked
R121 "10K" 0402_RES#1 97.98,31.83 r270 top locked
R122 "10K" 0402_RES#1 98.996,43.768 r90 top locked
R123 "100 R" 0603_RES#1 98.841,34.398 r270 top locked
R124 "0R" 0402_RES#1 97.98,43.387 r90 top locked
R125 "0R" 0402_RES#1 96.837,43.768 r180 top locked
R126 "0R" 0402_RES#1 96.837,42.879 r180 top locked
R127 "0402 330R 5%" 0402_RES#1 13.748,53.147 r270 bottom
R200 "100K" 0402_RES#1 52.888,5.206 r90 top locked
R201 "2.2M" 0402_RES#1 52.115,5.214 r270 top locked
R202 "10K" 0402_RES#1 63.754,17.907 r90 top
R203 "10K" 0402_RES#1 65.481,19.177 r90 top
R205 "0402 2K2 1%" 0402_RES#1 56.571,28 r270 bottom
R208 "0R" 0402_RES#1 21.485,63.199 r270 bottom
R209 "0R" 0402_RES#1 19.092,63.211 r270 bottom
R210 "0402 2K2 1%" 0402_RES#1 23.135,53.42 r180 bottom
R211 "0402 2K2 1%" 0402_RES#1 23.135,50.88 r180 bottom
R212 "100K" 0402_RES#1 24.361,54.977 r180 bottom
R300 "0R-NF" 0402_RES#2 21.844,9.951 r90 bottom
R301 "0R" 0402_RES#2 19.253,9.951 r90 bottom
R302 "470R" 0402_RES#1 21.006,9.945 r90 bottom
R303 "470R-NF" 0402_RES#2 20.117,9.951 r270 bottom
R304 "4.7K" 0402_RES#1 24.79,24.968 r180 top
R305 "4.7K-NF" 0402_RES#1 24.79,25.781 r180 top
R306 "4.7K" 0402_RES#1 24.79,27.254 r180 top
R307 "0R" 0402_RES#1 18.39,9.945 r90 bottom
R308 "0R-NF" 0402_RES#1 16.688,9.945 r90 bottom
R309 "470R-NF" 0402_RES#1 17.551,9.945 r90 bottom
R310 "470R" 0402_RES#1 15.799,9.956 r270 bottom
R311 "0R-NF" 0402_RES#1 24.684,28.804 r270 top
R312 "4.7K-NF" 0402_RES#1 24.79,24.13 r0 top
R313 "4.7K" 0402_RES#1 22.885,25.781 r180 top
R314 "4.7K-NF" 0402_RES#1 22.885,27.254 r180 top
R315 "2.49K %1" 0603_RES#3 23.216,21.412 r90 bottom
R316 "4.7K" 0402_RES#1 22.504,32.436 r180 bottom
R317 "0R" 0402_RES#1 23.82,28.804 r270 top
R318 "470R" 0402_RES#1 25.578,28.804 r270 top
R319 "470R-NF" 0402_RES#1 24.079,33.528 r270 top
R320 "0R" 0402_RES#1 23.139,24.079 r180 bottom
R321 "0R" 0402_RES#1 23.292,30.226 r180 bottom
R322 "0R" 0402_RES#1 25.527,28.778 r90 bottom
R323 "0R" 0402_RES#1 17.323,33.198 r270 top
R324 "0R" 0402_RES#1 27,28.778 r90 bottom
R325 "0R" 0402_RES#1 18.136,33.198 r270 top
R326 "0R" 0402_RES#1 18.948,33.198 r270 top
R327 "0R" 0402_RES#1 19.761,33.198 r270 top
R328 "0R" 0402_RES#1 20.574,33.198 r270 top
R329 "0R" 0402_RES#1 21.387,33.198 r270 top
R330 "4.7K -NF" 0402_RES#1 21.387,31.267 r270 top
R331 "4.7K" 0402_RES#1 21.387,31.262 r90 bottom